# Altium PCB PCB.PcbDoc (part 2 of 3) (continued)
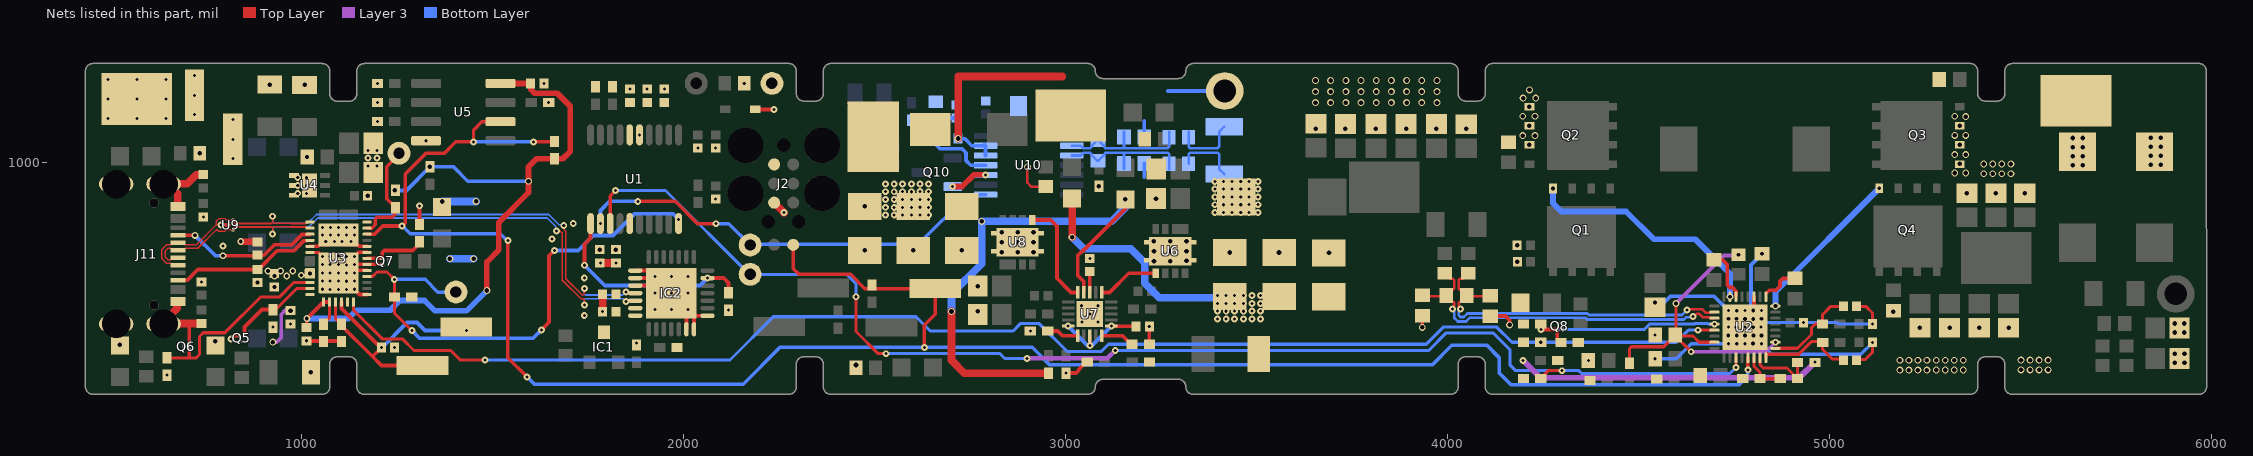
[diagram p6: the nets of this part, all layers, seen from the top]
## Part data (continued)
R62: library part RC0402FR-0715K4L, "RES 15.4K OHM 1% 1/16W 0402", Device Package="0402 (1005 Metric)", manufacturer=Yageo, Operating Temperature="-55°C ~ 155°C", Power (Watts)="0.063W, 1/16W", Supplier Device Package=0402, Supplier Part Number 1=YAG2992CT-ND, Temperature Coefficient=±100ppm/°C, Tolerance=±1%, componentlink1description=Datasheet, componentlink1url=https://www.yageo.com/upload/media/product/productsearch/datasheet/rchip/PYu-RC_Group_51_RoHS_L_10.pdf, componentlink2description="DigiKey Link", componentlink2url=https://www.digikey.com/en/products/detail/yageo/RC0402FR-0715K4L/5280852, Composition="Thick Film", Features="Moisture Resistant", Height - Seated (Max)="0.016\" (0.40mm)", lastupdated="27/04/2023 7:26:05 PM", Lifecycle Status=Active, Minimum Order=1, Number of Terminations=2, Package / Case="0402 (1005 Metric)", packaging=CutTape, partid=2575, Part Number=RC0402FR-0715K4L, Part Status=Active, price=0.01, Resistance="15.4 kOhms", series=RC_L, Size / Dimension="0.039\" L x 0.020\" W (1.00mm x 0.50mm)", Supplier 1=DigiKey
R73 R74: library part CRCW060360K4FKEA, "RES SMD 60.4K OHM 1% 1/10W 0603", Device Package="0603 (1608 Metric)", manufacturer="Vishay Dale", Operating Temperature="-55°C ~ 155°C", Power (Watts)="0.1W, 1/10W", Ratings=AEC-Q200, Supplier Device Package=0603, Supplier Part Number 1=541-60.4KHCT-ND, Temperature Coefficient=±100ppm/°C, Tolerance=±1%, componentlink1description=Datasheet, componentlink1url=http://www.vishay.com/docs/20035/dcrcwe3.pdf, componentlink2description="DigiKey Link", componentlink2url=https://www.digikey.com/en/products/detail/vishay-dale/CRCW060360K4FKEA/1174871, Composition="Thick Film", Features="Automotive AEC-Q200", Height - Seated (Max)="0.020\" (0.50mm)", lastupdated="7/05/2023 7:36:13 PM", Lifecycle Status=Active, Minimum Order=1, Number of Terminations=2, Package / Case="0603 (1608 Metric)", packaging=CutTape, partid=5182, Part Number=CRCW060360K4FKEA, Part Status=Active, price=0.01, Resistance="60.4 kOhms", series=CRCW, Size / Dimension="0.061\" L x 0.033\" W (1.55mm x 0.85mm)", Supplier 1=DigiKey
R75: library part RP73PF1E100KBTD, "RES 100K OHM 0.1% 1/10W 0402", Device Package="0402 (1005 Metric)", manufacturer="TE Connectivity Passive Product", Operating Temperature="-55°C ~ 155°C", Power (Watts)="0.1W, 1/10W", Supplier Device Package=0402, Supplier Part Number 1=A127511CT-ND, Temperature Coefficient=±25ppm/°C, Tolerance=±0.1%, componentlink1description=Datasheet, componentlink1url=https://www.te.com/commerce/DocumentDelivery/DDEController?Action=srchrtrv&DocNm=1773272&DocType=DS&DocLang=English, componentlink2description="DigiKey Link", componentlink2url=https://www.digikey.com/en/products/detail/te-connectivity-passive-product/RP73PF1E100KBTD/8261053, Composition="Thin Film", Height - Seated (Max)="0.014\" (0.35mm)", lastupdated="12/07/2023 7:24:29 PM", Lifecycle Status=Active, Minimum Order=1, Number of Terminations=2, Package / Case="0402 (1005 Metric)", packaging=TapeAndReel, partid=2436, Part Number=RP73PF1E100KBTD, Part Status=Active, price=0.08, Resistance="100 kOhms", series="RP73, Holsworthy", Size / Dimension="0.039\" L x 0.020\" W (1.00mm x 0.50mm)", Supplier 1=DigiKey
R76: library part RP73PF1E165KBTD, "RES 165K OHM 0.1% 1/10W 0402", Device Package="0402 (1005 Metric)", manufacturer="TE Connectivity Passive Product", Operating Temperature="-55°C ~ 155°C", Power (Watts)="0.1W, 1/10W", Supplier Device Package=0402, Supplier Part Number 1=A127532CT-ND, Temperature Coefficient=±25ppm/°C, Tolerance=±0.1%, componentlink1description=Datasheet, componentlink1url=https://www.te.com/commerce/DocumentDelivery/DDEController?Action=srchrtrv&DocNm=1773272&DocType=DS&DocLang=English, componentlink2description="DigiKey Link", componentlink2url=https://www.digikey.com/en/products/detail/te-connectivity-passive-product/RP73PF1E165KBTD/8261074, Composition="Thin Film", Height - Seated (Max)="0.014\" (0.35mm)", lastupdated="12/07/2023 7:24:29 PM", Lifecycle Status=Active, Minimum Order=1, Number of Terminations=2, Package / Case="0402 (1005 Metric)", packaging=TapeAndReel, partid=2420, Part Number=RP73PF1E165KBTD, Part Status=Active, price=0.08, Resistance="165 kOhms", series="RP73, Holsworthy", Size / Dimension="0.039\" L x 0.020\" W (1.00mm x 0.50mm)", Supplier 1=DigiKey
R77: library part ERJ-2RKF3743X, "RES SMD 374K OHM 1% 1/10W 0402", Device Package="0402 (1005 Metric)", manufacturer="Panasonic Electronic Components", Operating Temperature="-55°C ~ 155°C", Power (Watts)="0.1W, 1/10W", Ratings=AEC-Q200, Supplier Device Package=0402, Supplier Part Number 1=P374KLCT-ND, Temperature Coefficient=±100ppm/°C, Tolerance=±1%, componentlink1description=Datasheet, componentlink1url=https://industrial.panasonic.com/cdbs/www-data/pdf/RDA0000/AOA0000C304.pdf, componentlink2description="DigiKey Link", componentlink2url=https://www.digikey.com/en/products/detail/panasonic-electronic-components/ERJ-2RKF3743X/192327, Composition="Thick Film", Features="Automotive AEC-Q200", Height - Seated (Max)="0.016\" (0.40mm)", lastupdated="12/07/2023 7:24:13 PM", Lifecycle Status=Active, Minimum Order=1, Number of Terminations=2, Package / Case="0402 (1005 Metric)", packaging=CutTape, partid=6416, Part Number=ERJ-2RKF3743X, Part Status=Active, price=0.01, Resistance="374 kOhms", series=ERJ-2RK, Size / Dimension="0.039\" L x 0.020\" W (1.00mm x 0.50mm)", Supplier 1=DigiKey
R78: library part 1-2176089-8, "RES SMD 16.5K OHM 0.1% 1/6W 0603", Device Package="0603 (1608 Metric)", manufacturer="TE Connectivity Passive Product", Operating Temperature="-55°C ~ 155°C", Power (Watts)="0.167W, 1/6W", Supplier Device Package=0603, Supplier Part Number 1=A110225CT-ND, Temperature Coefficient=±25ppm/°C, Tolerance=±0.1%, componentlink1description=Datasheet, componentlink1url=https://www.te.com/commerce/DocumentDelivery/DDEController?Action=srchrtrv&DocNm=1773272&DocType=DS&DocLang=English, componentlink2description="DigiKey Link", componentlink2url=https://www.digikey.com/en/products/detail/te-connectivity-passive-product/1-2176089-8/4033693, Composition="Thin Film", Height - Seated (Max)="0.022\" (0.55mm)", lastupdated="11/07/2023 7:34:02 PM", Lifecycle Status=Active, Minimum Order=1, Number of Terminations=2, Package / Case="0603 (1608 Metric)", packaging=TapeAndReel, partid=11782, Part Number=1-2176089-8, Part Status=Active, price=0.14, Resistance="16.5 kOhms", series="RP73P, Holsworthy", Size / Dimension="0.061\" L x 0.031\" W (1.55mm x 0.80mm)", Supplier 1=DigiKey
R79: library part JR0805X35E, "0805 35 AMP JUMPER", Device Package="0805 (2012 Metric)", manufacturer=Ohmite, Operating Temperature="-55°C ~ 150°C", Power (Watts)=0.245W, Supplier Device Package=0805, Supplier Part Number 1=JR0805X35ECT-ND, Tolerance=Jumper, componentlink1description=Datasheet, componentlink1url=https://www.ohmite.com/assets/docs/res_jr.pdf?r=false, componentlink2description="DigiKey Link", componentlink2url=https://www.digikey.com/en/products/detail/ohmite/JR0805X35E/10233372, Composition="Metal Element", Height - Seated (Max)="0.022\" (0.55mm)", lastupdated="12/07/2023 7:52:18 PM", Lifecycle Status=Active, Minimum Order=1, Number of Terminations=2, Package / Case="0805 (2012 Metric)", packaging=TapeAndReel, partid=29311, Part Number=JR0805X35E, Part Status=Active, price=0.10, Resistance="0 Ohms", series=JR, Size / Dimension="0.079\" L x 0.049\" W (2.00mm x 1.25mm)", Supplier 1=DigiKey
R81: library part MCS0402PD1000DE500, "RES 100 OHM 0.5% 1/5W 0402", Device Package="0402 (1005 Metric)", manufacturer="Vishay Beyschlag", Operating Temperature="-55°C ~ 175°C", Power (Watts)="0.2W, 1/5W", Ratings=AEC-Q200, Supplier Device Package=0402, Supplier Part Number 1=749-1509-1-ND, Temperature Coefficient=±25ppm/°C, Tolerance=±0.5%, componentlink1description=Datasheet, componentlink1url=http://www.vishay.com/docs/28916/mcxhp.pdf, componentlink2description="DigiKey Link", componentlink2url=http://digikey.com/product-detail/en/vishay-beyschlag/MCS0402PD1000DE500/749-1509-1-ND/7245027, Composition="Thin Film", Features="Anti-Sulfur, Automotive AEC-Q200", Height - Seated (Max)="0.015\" (0.37mm)", lastupdated="17/07/2023 7:08:51 PM", Lifecycle Status=Active, Minimum Order=1, Number of Terminations=2, Package / Case="0402 (1005 Metric)", packaging=TapeAndReel, partid=2456, Part Number=MCS0402PD1000DE500, Part Status=Active, price=0.08, Resistance="100 Ohms", series="MCS HP", Size / Dimension="0.039\" L x 0.020\" W (1.00mm x 0.50mm)", Supplier 1=DigiKey
U1: "Value-line Arm-based 32-bit MCU with up to 256 KB Flash, timers, ADC, communication interfaces, 2.4-3.6 V operation - TSSOP20 20-pin"
U2: "I2C 1- to 5-Cell Buck-Boost Battery Charge Controller with USB-C PD 3.0 OTG Output"
U3: "USB, Type-C Controller PMIC 38-WQFN (4x6)", Package=None, Availability=Unavailable, MF="{'manufacturer': u'Texas Instruments'}", MP=TPS25750DRJKR, price=None
U5: "EEPROM Memory IC 256Kb (32K x 8) I²C 1MHz 500ns 8-SOIC", Package=None, Availability=Unavailable, MF="{'manufacturer': u'ON Semiconductor'}", MP=CAT24C256WI-G, price=None
U6 U8: "Synchronous Buck NexFET™ Power Block"
U9: "2-channel ESD protection diode for USB Type-C and HDMI 2.0 3-X2SON -40 to 125", Package=None, Availability=Unavailable, MF="{'manufacturer': u'Texas Instruments'}", MP=ESD122DMXR, price=None

## Free pads (board coordinates)
  round 98.43 hole 59.06: 5(3417,1188) 5(5906,657)
  round 31.5 smd: 6(2237.78,785.8) 6(2287.8,785.22)
  round 60 hole 30: 7(1405,662) 7(2175,708.24) 7(2175,785) 8(1256,1025.13)

## Via types
v1: diameter 18, hole 12, Top Layer to Bottom Layer, tented both sides, 430 vias
v2: diameter 18, hole 8, Top Layer to Bottom Layer, tented both sides, 381 vias
v3: diameter 18, hole 10, Top Layer to Bottom Layer, tented both sides, 49 vias
v4: diameter 23.62, hole 23.62, Top Layer to Bottom Layer, tented both sides, 4 vias
v5: diameter 77.95, hole 77.95, Top Layer to Bottom Layer, 2 vias

## Nets (pads, with @x,y where several pads share a name; then routed paths per layer and width w, separated by ;. In a path a pad name is that pad's centre, name@x,y a point inside that pad or via, vN(x,y) a via of type N, cw(c..) or ccw(c..) an arc to the next point about the centre after c; other vN are vias at no path point)
+3V3: C2.2 C3.2 C4.2 C5.2 C6.2 C7.2 C8.2 C65.1 C72.1 C73.1 C74.1 C82.2 D4.1 D5.1 D6.1 D7.1 D8.1 IC1.3 IC2.6 IC2.7 J2.1 L2.2 R3.2 R4.2 R5.2 R10.1 R17.1 R20.2 R21.2 R22.2 R40.2 R41.2 R42.2 R59.2 TP8.TP U1.5 U1.16 U3.38 U10.5 U10.6 | length 2189.7
  Top Layer w20: v1(2719.32,1063.72) 2719.32,1226 2992.26,1226 ; v1(3017.72,805.22) D8.1@3017.72,906.5
  Layer 3 w10: v1(926.06,531) 935.88,531 948,543.12 948,603.31 958.01,613.32 v1(972,613.32)
  Layer 3 w15: v2(4198.11,483) 4243.61,437.5 4920.77,437.5 v2(4961.61,478.35)
  Bottom Layer w10: v1(2719.32,1063.72) 2719.32,1062.94 2737.06,1062.94 2755.15,1044.85 U10.6@2791.18,1044.85 ; U10.6@2788.11,1047.93 U10.6@2791.18,1044.85 ; U10.5@2791.18,1019.26 U10.6@2791.18,1044.85
  Bottom Layer w20: v1(1369,898.87) 1369,899 v1(1457.71,899) ; v1(1389,749) v1(1451.44,749) ; v1(3017.72,805.22) 3047.56,775.38 3170.53,775.38 3207.5,738.4 3207.5,685.03 3245.85,646.68 v2@3398.07,646.68
  other v1: 1025.2,451.77 525.55,524.16 775,533.35 1781.75,772.85 1823.77,772.85 1008.94,1204.12 917.58,1204.67
  other v2: 3398,591.32 3420.93,591.19 3443,591.32 3465.93,591.19 3488,591.45 3510.93,591.32 3398,611.71 3420.93,611.58 3443,611.71 3465.93,611.58 3488,611.84 3510.93,611.71 3398,632.1 3420.93,631.97 3443,632.1 3465.93,631.97 3488,632.22 3510.93,632.1 3398,652.48 3420.93,652.36 3443,652.48 3465.93,652.36 3510.93,652.48 3488,652.61
+3V3_REG: C68.2 U7.3 U7.6 U7.20 | length 246.1
  Top Layer w10: v2(3064,521.83) U7.3@3063.98,547.64 ; v2(3120.67,572.83) 3121.17,572.33 3184.44,572.33 C68.2@3184.94,571.83
  Bottom Layer w10: v2(3007.28,572.83) 3058.29,521.83 v2(3064,521.83) 3069.67,521.83 v2(3120.67,572.83)
+5V0: C30.1 C78.1 C79.1 C80.1 D9.1 L3.2 R62.2 TP9.TP U3.34_35 U7.14 | length 1379
  Top Layer w10: U7.14@3048.23,661.02 3048.23,689.43 3032.48,705.18 3032.48,757.12 3047.24,771.87 3048.74,771.87 3156.96,880.09 v1(3156.96,904.47)
  Top Layer w20: v1(2702,611) 2702,483.35 2735.61,449.73 R62.2@2956.09,449.73
  Bottom Layer w20: v1(2702,611) 2702,657.31 2781,736.31 v1(2781,847) 3120.8,847 3156.96,883.15 v1(3156.96,904.47)
  other v1: 2475.39,885.99
  other v2: 2529.07,863.33 2552,863.2 2574.07,863.33 2597,863.2 2619.07,863.46 2642,863.33 2529.07,883.72 2552,883.59 2574.07,883.72 2597,883.59 2619.07,883.84 2642,883.72 2529.07,904.1 2552,903.98 2574.07,904.1 2597,903.98 2619.07,904.23 2642,904.1 2529.07,924.49 2552,924.36 2574.07,924.49 2597,924.36 2642,924.49 2619.07,924.62 2529.07,944.88 2552,944.75 2574.07,944.88 2597,944.75 2619.07,945.01 2642,944.88
  other v3: 929.86,704 962.24,704 1000.08,705.74 1022.83,710.8 913.29,717 945.67,717 978.05,717
+5V0_REG: C67.2 U7.13 | length 54.4
  Top Layer w10: U7.13@3063.98,661.02 C67.2@3063.98,715.42
AC_N: C37.1 C40.2 R33.1 U2.2 | length 887.2
  Top Layer w6.68: v2(4034,618) 4034,620.62 4030.02,624.6 4030.02,633.68 4033.37,637.04 C37.1@4039.84,637.04 ; C37.1@4039.84,652.31 C37.1@4050.2,652.31 ; C37.1@4050.2,653.28 4035.82,667.65 4033.37,667.65 4029.46,671.56 4029.46,686.66 4029.46,693.03 4033.37,696.94 4040.74,696.94 R33.1@4054.13,710.33 ; C37.1@4054.13,651.31 C40.2@4114.02,651.31 ; v2(4627,615) 4630.06,615 4632.36,617.29 4666.12,617.29 4676.19,607.22 4686.62,607.22 4688.92,609.52 U2.2@4698.82,609.52
  Bottom Layer w6.68: v2(4034,618) 4029.84,613.84 4029.84,600.66 4033.98,596.52 4042.67,596.52 4051.92,605.77 4366.05,605.77 4370.05,601.77 4613.77,601.77 v2(4627,615)
AC_P: C37.2 C39.2 R32.1 U2.3 | length 898.1
  Top Layer w6.68: C39.2@3934.06,651.46 C37.2@3996.9,651.46 ; R32.1@3993.11,710.33 4006.5,696.94 4013.87,696.94 4017.78,693.03 4017.78,681.82 4017.78,671.56 4013.87,667.65 4011.42,667.65 C37.2@3997.05,653.28 ; C37.2@3997.05,650.34 C37.2@3997.05,652.31 ; v2(4013,618) 4013,621.06 4017.66,625.72 4017.66,633.38 C37.2@4014,637.04 ; v2@4016.79,618 v2@4017.93,616.86 ; v2(4642.53,598) 4645.59,598 4653.21,605.61 4658.74,605.61 4668.81,595.54 4686.62,595.54 4688.65,593.5 U2.3@4698.82,593.5
  Bottom Layer w6.68: v2(4013,618) 4018.16,612.84 4018.16,593.93 4027.25,584.85 4048.88,584.85 4058.13,594.1 4361.21,594.1 4365.21,590.1 4618.61,590.1 4624.35,595.83 4640.36,595.83 v2(4642.53,598)
ADCIN1: C55.2 C66.2 R43.2 R44.2 R45.2 R46.2 U3.1 U3.2 U5.8 | length 1910.1
  Top Layer w8: R46.2@1058.07,578.94 1073.82,594.68 U3.2@1073.82,636
  Top Layer w10: C55.2@1014,569 1014.79,569 v3(1014.79,592.74) 1058.05,636 U3.2@1072,636
  Top Layer w15: v1(1486,666) 1486,740.91 1516.93,771.84 1516.93,844.13 1595,922.2 v1(1595,952) 1595,990 1615.58,1010.58 R43.2@1663,1010.58 1684.73,1010.58 1704,1029.84 1704,1148.36 1670.36,1182 1610.99,1182 1601.22,1191.78 1601.22,1200.08 1604.22,1203.08 1604.54,1203.08 C66.2@1600.79,1207.68 1600.69,1207.78 1521.75,1207.78 U5.8@1521.65,1207.87
  Bottom Layer w10: v1(1245.28,928) 1275.36,928 v1(1337,989.64) 1398.35,989.64 1435.99,952 v1(1595,952)
  Bottom Layer w15: v3(1014.79,592.74) 1123.1,592.74 1144.71,614.35 1232.97,614.35 1258.4,639.77 1322.82,639.77 1350.01,612.59 1432.59,612.59 v1(1486,666)
ADCIN2: C54.2 J10.1 J10.2 R47.2 U3.3 U3.4 | length 823.6
  Top Layer w8: U3.3@1089.57,636.02 1089.57,593.7 R47.2@1104.33,578.94
  Top Layer w10: R47.2@1105.31,579.64 1105.31,572.1 1107.66,572.1 1186,493.77 ; U3.4@1105.31,636.02 1105.31,618.92 1207.5,516.73 v2(1209.68,516.73) 1209.68,515.94 1187.5,493.77 1186,493.77 ; J10.1@1275,470 J10.1@1317.52,470 1209.77,470 1186,493.77
  Bottom Layer w10: v2@1210.79,515.62 1277.17,582 1303,582 1324,561 v2(1433,561)
ALERT_FUEL: pad.7@2175,785 U1.2 U10.1 | length 1154.4
  Top Layer w10: v2(1881,899.31) 1978.87,899.31 2037.41,840.77 v2(2085.64,840.77)
  Bottom Layer w9.08: v2(2085.64,840.77) 2119.23,840.77 pad.7@2175,785 2176.57,786.57 2615.27,786.57 2745.6,916.9 U10.1@2791.18,916.9
  Bottom Layer w10: v2(1783.06,841) 1783.06,875.37 1807.01,899.31 v2(1881,899.31)
B_G_3V: U6.5 U7.11 | length 161.4
  Top Layer w10: U7.11@3095.47,661.02 3115.75,661.02 3165.71,710.99 U6.5@3236.22,710.99
B_G_5V: U7.15 U8.5 | length 277.3
  Top Layer w10: U8.5@2913.3,850.39 2961.61,850.39 2978,834.01 2978,698 3014.98,661.02 U7.15@3032.48,661.02
BAT: C85.2 R77.1 R78.2 U10.4 | length 346.8
  Bottom Layer w10: R77.1@2597,1108.79 2659.03,1108.79 R78.2@2661,1108.79 ; C85.2@2715,1117.05 2695.66,1117.05 2687.39,1108.79 R78.2@2661,1108.79 ; U10.4@2791.18,993.67 2752.49,993.67 2739.54,1006.61 2739.54,1026.62 2729.17,1037 2671.64,1037 2661,1047.64 R78.2@2661,1108.79
BOOT0: IC2.20 R1.1 U1.1 | length 554.8
  Top Layer w10: v2(1741.14,732) 1741.14,787.14 1757.47,803.47 U1.1@1757.47,841 ; v2(2063.37,698.5) 2105.95,698.5 2118.61,685.83 R1.1@2118.61,659.69
  Bottom Layer w10: v2(1741.14,732) 1794.33,678.81 2043.69,678.81 v2(2063.37,698.5)
BTST1: C35.1 U2.30 | length 134.7
  Top Layer w10: C35.1@4697,746.57 4719.95,746.57 4732.34,734.19 4732.34,680.68 4739.64,673.39 4745.61,673.39 4754.92,664.08 U2.30@4754.92,652.81
BTST2: C36.1 U2.25 | length 98.5
  Top Layer w10: U2.25@4834.32,658.68 4842.28,666.63 4859.63,666.63 4870,677 4870,690.11 4877.47,697.57 C36.1@4909,697.57
CC1: C56.1 J11.A5 U3.28 | length 391.1
  Top Layer w10: J11.A5@677.2,810.66 677.53,810.33 v3(722.5,810.33) ; v3(795,757) 884.56,757 C56.1@885.83,758.27 902.85,758.27 930.4,785.83 976.06,785.83 1002.33,812.1 1021.76,812.1 U3.28@1022.83,813.17
  Bottom Layer w10: v3(722.5,810.33) 775.83,757 v3(795,757)
CC2: C57.1 J11.B5 U3.29 | length 381.8
  Top Layer w10: J11.B5@677.2,692.55 700.74,692.55 729.38,721.19 888.02,721.19 936.83,770 981.44,770 1007.8,796.35 U3.29@1016.02,796.35
CELL_BATTPRESZ: C23.2 R23.2 R28.2 U2.7 U2.18 | length 873.8
  Top Layer w8: R23.2@4476.38,475.39 4476.38,513.78 4481.3,518.7 4566.16,518.7 C23.2@4596.46,549 ; v3(4598,632) 4598,550.54 C23.2@4596.46,549 ; v2(4637.91,505.64) 4637.84,505.64 C23.2@4596.46,547.03 ; U2.7@4698.82,530.51 4659.27,530.51 4642.76,547.03 C23.2@4596.46,547.03 ; C23.2@4596.46,547.03 C23.2@4596.46,549
  Layer 3 w8: v2(4637.91,505.64) 4833.4,505.64 v2(4858.27,530.51)
  Layer 3 w10: v3(4598,632) 4723.89,757.89 4760.34,757.89 v3(4761.87,759.42)
CHRG_OK: Q8.1 R21.1 R67.2 U2.4 | length 558
  Top Layer w10: R21.1@4244.09,577.76 4244.59,577.26 4244.59,564.47 v2(4245.08,563.98) Q8.1@4287.4,563.98 4287.4,538.17 4295.87,529.7 R67.2@4298.24,529.7
  Bottom Layer w8: v2(4245.08,563.98) 4515.22,563.98 4529,577.76 4646.3,577.76 4648.54,580 4680.26,580 4682.51,577.76 v2(4698.82,577.76)
CMPIN: R15.2 R16.1 U2.14 | length 114.8
  Top Layer w8: U2.14@4802.17,490.16 4802.17,467.52 4817.91,451.77 R15.2@4817.91,435.04 R16.1@4871.06,435.04
CMPOUT: R16.2 R17.2 U2.15 | length 175.5
  Top Layer w8: U2.15@4817.91,490.16 4817.91,471.46 4826.46,462.91 4888.46,462.91 R16.2@4916.34,435.04 R17.2@4916.34,478.35
COMP1: C9.2 R18.2 U2.16 | length 256.8
  Top Layer w8: U2.16@4833.66,490.16 4833.66,499.02 4919.29,499.02 4952.29,532.02 4981.89,532.02 4981.89,511.76 5007.11,486.54 5036.42,486.54 C9.2@5036.42,485.76
COMP2: C12.2 R19.2 U2.17 | length 248.2
  Top Layer w8: U2.17@4858.27,514.76 4916.34,514.76 4952.5,550.93 4952.5,568.5 4962.28,578.28 R19.2@4981.69,578.28 4981.69,602.73 5003.5,624.54 C12.2@5036.42,624.54
CS1: R57.2 U7.1 | length 84.1
  Top Layer w10: R57.2@2953.64,560.31 2979.8,560.31 2992.46,547.64 U7.1@3032.48,547.64
CS2: R56.2 U7.5 | length 88.4
  Top Layer w10: U7.5@3095.47,547.64 3149.31,547.64 3171.67,525.27 R56.2@3174.63,525.27
DCONN_N: IC2.5 J11.A7 J11.B7 U3.27 U9.2 | length 1667.2
  Top Layer w4.16: J11.A7@677.2,751.61 663.42,751.61 658.15,746.34 651.27,746.34 644.68,752.93 644.68,769.96 651.27,776.55 658.15,776.55 663.42,771.29 J11.B7@677.2,771.29 690.98,771.29 696.24,776.55 729.59,776.55 777.22,824.19 780.67,824.19 783.75,821.11 800.3,821.11 804.3,825.11 815.1,825.11 815.21,825.22 820.49,825.22 U9.2@821.91,823.8 822.7,824.59 822.7,830.17 824.55,832.03 923.26,832.03 925.2,830.09 ; v2(925.2,813.96) 925.2,830.09 ; U3.27@1022.83,828.91 1014.95,828.91 1011.66,832.21 969.59,832.21 969.27,832.53 927.63,832.53 925.2,830.09 ; v2(1668,822) 1669.57,820.43 1679.66,820.43 1683.24,816.85 1683.24,692.94 1731.47,644.71 1738.71,644.71 1741.14,642.28 v2(1741.14,627.64) ; v2@1851,637 1852.22,638.22 1873.17,638.22 IC2.5@1874.39,639.44
  Bottom Layer w4.16: v2(925.2,813.96) 925.2,830.09 927.63,832.53 1020.48,832.53 1043.68,855.73 1644.36,855.73 1666.43,833.66 1666.43,823.57 v2(1668,822) v2@1668.52,822.52 ; v2(1741.14,627.64) 1741.14,642.28 1743.58,644.71 1841.85,644.71 1849.56,637 v2(1850,637) v2@1851,637
DCONN_P: IC2.4 J11.A6 J11.B6 U3.26 U9.3 | length 1709.2
  Top Layer w4.16: J11.B6@677.2,731.92 663.42,731.92 658.15,737.18 647.48,737.18 635.52,749.14 635.52,773.76 647.48,785.71 658.15,785.71 663.42,790.98 J11.A6@677.2,790.98 690.98,790.98 696.24,785.71 725.8,785.71 777.33,837.25 777.33,846.85 783.75,853.27 801.48,853.27 804.17,850.57 U9.3@821.91,850.57 822.7,849.78 822.7,844.2 825.71,841.19 921.77,841.19 924.95,844.37 ; v2(925.2,860.25) 925.2,844.12 927.63,841.69 973.07,841.69 973.39,841.37 1011.66,841.37 1014.95,844.66 U3.26@1022.83,844.66 ; v2(1687.13,836) 1688.7,834.43 1688.7,824.34 1692.4,820.65 1692.4,696.73 1735.26,653.87 1738.71,653.87 1741.14,656.31 v2(1741.14,670.94) ; v2@1851,662 1852.44,660.56 1872.96,660.56 IC2.4@1874.39,659.13
  Bottom Layer w4.16: v2(925.2,860.25) 925.2,844.12 927.63,841.69 1016.69,841.69 1039.89,864.89 1648.15,864.89 1675.47,837.57 1685.56,837.57 v2(1687.13,836) ; v2(1741.14,670.94) 1741.14,656.31 1743.37,654.08 1841.64,654.08 1849.56,662 v2(1850,662) v2@1851,662
DRAIN: U3.15 U3.30 U3.40 | length 169.4
  Top Layer w10: U3.30@1022.83,781.67 1044.87,781.67 1049.67,786.47 1072.51,786.47 U3.40@1097.63,811.59 ; U3.40@1097.63,799.61 1100.2,797.05 1110.77,786.47 1146.53,786.47 1151.33,781.67 U3.15@1172.43,781.67
  other v2: 1064.31,794 1087.23,794 1107,794.24 1130.17,794.54 1076.23,811.72 1118.08,811.72 1055.31,831 1076.23,831 1097.15,831 1118.08,831 1139,831
FUEL_BATT_SR_N: C1.1 C2.1 C3.1 C4.1 C5.1 C6.1 C7.1 C8.1 C9.1 C10.1 C11.1 C12.1 C13.2 C14.1 C15.1 C16.2 C18.1 C19.1 C20.1 C21.1 C22.1 C23.1 C24.1 C25.1 C26.1 C27.1 C28.1 C29.1 C30.2 C31.1 C32.2 C33.1 C34.1 C38.1 C39.1 C40.1 C41.1 C42.1 C43.1 C44.1 C45.1 C46.1 C47.1 C48.1 C50.1 C51.1 C52.1 C53.2 C54.1 C55.1 C56.2 C57.2 C58.1 C59.1 C60.2 C61.1 C62.1 C63.1 C64.1 C65.2 C66.1 C67.1 C68.1 C70.1 C71.1 C72.2 C73.2 C74.2 C76.1 C77.1 C78.2 C79.2 C80.2 D14.A IC2.1 IC2.2 IC2.3 IC2.13 IC2.14 IC2.15 IC2.29 J2.5 J3.1 J8.1 J8.2 J11.13 J11.14 J11.A1 J11.A12 Q2.S Q3.S Q5.2 Q6.2 Q7.2 Q8.2 R1.2 R8.1 R9.1 R13.1 R14.2 R15.1 R25.1 R29.1 R30.1 R38.1 R39.1 R46.1 R47.1 R48.1 R52.2 R53.2 R54.2 R55.2 R56.1 R57.1 R61.2 R63.2 R64.1 R65.1 R66.1 R67.1 R73.1 R74.1 TP3.TP TP4.TP U1.15 U2.27 U2.33 U3.7 U3.11 U3.12 U3.14 U3.19 U3.31 U3.39 U4.1 U4.2 U4.3 U4.7 U5.4 U6.9 U7.21 U8.9 U9.1 | length 3634.4
  Top Layer w6: C13.2@4931.69,577.76 v2(4931.69,581.76)
  Top Layer w6.68: v1(2900.59,989) 2900.59,947.93 2910.53,937.99 R38.1@2948.82,937.99
  Top Layer w8: U3.31@1022.83,765.92 1045.08,765.94 U3.39@1097.44,713.58 ; R30.1@4543.31,433.61 R30.1@4547.83,429.09 ; C9.1@5071.06,485.76 5094.02,485.76 5112.2,503.93 v2(5112.2,530.1) ; C12.1@5071.06,624.54 5094.87,624.54 5112.2,607.2 v2(5112.2,578.28)
  Top Layer w10: J11.13@639.8,950.52 657.44,950.52 J11.13@651.39,944.47 ; Q6.2@706.89,527.76 706.89,579.57 707,579.68 ; v2(790.41,837.19) U9.1@810.09,837.19 ; v2(816,539) 825.23,548.23 Q5.2@836.05,548.23 ; v3(842,794) v3@842.54,793.46 ; C56.2@885.28,793.46 C56.2@885.83,792.91 ; v2(1014,534.35) 1015,533.36 1104.32,533.36 R47.1@1105.31,532.36 ; U3.39@1097.63,712.18 1097.63,710.8 1152.75,655.68 U3.7@1172.43,655.68 ; U3.39@1103.94,718.7 U3.11@1172.24,718.7 ; U3.39@1118.58,689.69 1097.44,710.83 1097.44,713.58 1149.8,765.94 U3.14@1172.24,765.94 ; U3.39@1119.68,734.45 Q7.2@1212.11,734.45 ; R66.1@1310,838.58 v2(1310,887.65) ; IC2.3@1874.39,678.81 IC2.29@1949.2,678.81 ; IC2.2@1874.39,698.5 1921.64,698.5 v2(1925.57,702.43) ; IC2.1@1874.39,718.18 1909.83,718.18 v2(1925.57,702.43) ; IC2.13@2008.25,564.64 2008.25,611.88 v2(2012.19,615.82) ; IC2.14@2027.94,564.64 IC2.29@2027.94,600.07 ; IC2.15@2063.37,600.07 IC2.29@2027.94,600.07 ; D14.A@2188.37,1140 v2(2237,1140) ; v2(3001.09,449.72) 3027.9,449.72 3034.97,456.79 3034.97,459.05 3054.13,478.22 R61.2@3057.09,478.22 ; v2(3219.59,571.83) 3219.74,571.67 3219.74,525.43 R56.1@3219.9,525.27 ; v1(3934,569.27) 3934,599.13 C39.1@3934.71,599.84 ; C40.1@4112,598.95 4151.92,598.95 4162.6,588.27 v1(4162.6,576) ; v2(4778.54,569.88) v3(4800.23,591.57) 4802.17,593.5 U2.27@4802.17,649.61 ; v2(1925.57,702.43) IC2.29@1949.2,678.81 ; IC2.29@1949.2,678.81 v2(1968.88,659.13) v2(2012.19,615.82) ; v2(2012.19,615.82) IC2.29@2027.94,600.07
  Top Layer w16: v3@842.54,793.46 C56.2@885.28,793.46
  Top Layer w20: J11.13@639.8,584.38 675.2,619.78 J11.A12@675.2,637.04 ; J11.13@651.39,944.47 677.2,918.67 J11.A1@677.2,895.86 ; J11.13@665,944.86 701.42,944.86 725.88,969.32 C64.1@744,969.32 ; J11.13@665.69,579.68 707,579.68 C61.1@739.16,579.68 ; v2(1783.55,738.07) C7.1@1823.64,738.07 ; v2(1789.13,610.76) C3.1@1789.13,655.76 ; J2.5@2237.8,895.76 v2(2263.69,869.87)
  Bottom Layer w6.68: R14.2@3322.59,997.93 3322.59,1022.83 3326.78,1027.02 3398.28,1027.02 3402.19,1023.1 3402.19,984.48 R13.1@3415.82,970.85
  Bottom Layer w8: v2(4543.31,487.32) 4598.37,487.32 4637.62,526.57 U2.33@4735.24,526.57 ; U2.33@4820.87,569.88 4832.74,581.76 v2(4931.69,581.76) 5020.02,581.76 5024.02,577.76 v2@5113.19,577.76 ; U2.33@4821.85,526.57 4849.37,499.06 5081.96,499.06 v2@5112.2,529.3
  Bottom Layer w10: v3(4543.31,634.31) 4566.62,634.31 4583.3,651 4697.43,651 U2.33@4735.24,613.19 ; U2.33@4778.54,613.19 4794,628.65 4794,732.83 v3(4823.44,762.27)
  other v1: 5184,457.68 5207.62,457.68 5231.24,457.68 5254.87,457.68 5279.13,457.8 5302.76,457.8 5326.38,457.8 5350,457.8 5501.13,458.18 5524.76,458.18 5548.38,458.18 5572,458.18 2452.09,471 5903.35,476.38 5928.94,476.38 5184,483.27 5207.62,483.27 5231.24,483.27 5254.87,483.27 5279.13,483.39 5302.76,483.39 5326.38,483.39 5350,483.39 5501.13,483.78 5524.76,483.78 5548.38,483.78 5572,483.78 5903.35,500 5928.94,500 5903,556.02 5928.59,556.02 5236.28,568.34 5314.04,568.34 5391.79,568.82 5468.56,568.82 5903,579.64 5928.59,579.64 5166.8,610.08 2770.75,611.35 2770.75,677.17 4182.68,741.39 3232,743 3274.61,743 3317,744.09 3689.88,764.48 3430,765.39 3559.21,765.39 2833.74,766.13 2874.91,766.13 2916.65,765.92 3232,769.06 3274.61,769.06 3317,769.06 2475.39,771.03 2602.36,771.03 2729.33,771.03 4182.45,784.26 2874.91,792.32 2833.74,792.68 2916.65,792.68 3231.5,795 3274.61,795 3317,795 2833.74,818.31 2874.91,818.13 2916.65,818.13 3237.2,906.5 1173.82,913.58 5359.25,920.28 5510.83,920.28 5435.04,920.62 3087.6,938.98 5403.54,971.46 5427.17,971.46 5450.79,971.46 5474.41,971.46 5327.76,973.35 5356.27,973.35 5637,994.13 5662.59,994.13 5840.8,994.76 5866.39,994.76 5340.55,997.19 5403.54,997.05 5427.17,997.05 5450.79,997.05 5474.41,997.05 5637,1017.76 5662.59,1017.76 5840.8,1018.38 5866.39,1018.38 5327.76,1021.65 5356.27,1021.65 734.59,1025.13 5637,1041.38 5662.59,1041.38 5840.8,1042 5866.39,1042 4214.57,1046.85 5340.55,1047.19 5637,1065 5662.59,1065 5840.8,1065.62 5866.39,1065.62 4197,1071.22 4229,1071.22 5327.76,1071.85 5356.27,1071.85 3655,1089 3733,1089 3812,1089 3892,1089 3971,1089 4049,1089 4214.57,1096.85 5340.55,1097.19 5356.27,1121.06 4197,1122 4229,1122 5327.76,1122.05 4214.57,1146.85 3654.54,1157.48 3694.29,1157.48 3734.04,1157.48 3773.79,1157.48 3813.54,1157.48 3853.29,1157.48 3893.04,1157.48 3932.79,1157.48 3972.54,1157.48 4198,1169.61 4231,1169.61 3654.54,1186.48 3694.29,1186.48 3734.04,1186.48 3773.79,1186.48 3813.54,1186.48 3853.29,1186.48 3893.04,1186.48 3932.79,1186.48 3972.54,1186.48 4214.76,1190.94 3654.54,1215.53 3694.29,1215.53 3734.04,1215.53 3773.79,1215.53 3813.54,1215.53 3853.29,1215.53 3893.04,1215.53 3932.79,1215.53 3972.54,1215.53
  other v2: 648.5,444.94 4368.88,483.27 1244.32,516.73 1877.08,528.16 4543.31,549 2908.36,560.31 926,570.1 972,578.68 3043,584 3085.57,584 1741,600.46 3063.98,604.33 2118.61,614.41 1925.57,615.82 1968.88,615.82 3042.68,626 3085.57,626 1925.57,659.13 2012.19,659.13 1055.31,669.18 1076,669 1119,668.61 1139.95,669.18 739,688.76 1076,690.5 1119,690.11 1055.31,690.68 1097.63,690.68 1139.95,690.68 1741,699 1968.88,702.43 2012.19,702.43 1076,712 1119,711.61 1119,733.11 1055.31,733.68 1076,733.5 1097.63,733.68 1139.95,733.68 1823.77,738.2 3063.98,750.06 1055.31,755.18 1076,755 1119,754.61 1139.95,755.18 795,782.07 1656,801 1712,841.69 744,858.68 3391.07,870.08 3414,869.95 3436.07,870.08 3459,869.95 3481.07,870.21 3504,870.08 3391.07,890.47 3414,890.34 3436.07,890.47 3459,890.34 3504,890.47 3481.07,890.59 2084.78,905.16 3391.07,910.85 3414,910.73 3436.07,910.85 3459,910.73 3481.07,910.98 3504,910.85 991.07,920.35 1014,920.22 3391.07,931.24 3414,931.11 3436.07,931.24 3459,931.11 3481.07,931.37 3504,931.24 991.07,940.74 1014,940.61 3391.07,951.63 3414,951.5 3436.07,951.63 3459,951.5 3481.07,951.76 3504,951.63 991.07,961.13 1014,961 1175.07,992.13 1198,992 821,1011.23 1198,1012.39 1175.07,1012.52 1175.07,1032.9 1198,1032.78 2038,1038.68 2084.79,1038.78 1326.77,1057.87 821,1061.61 1885.43,1073.28 1199.8,1108.27 821,1113.23 493.88,1116.61 570,1116.61 645.88,1116.61 721,1126.19 1199.8,1157.48 1647.64,1157.48 493.88,1167 570,1167 645.88,1167 721,1176.57 1860.58,1192.81 1905.58,1192.81 1950.58,1192.81 1199.8,1207.87 1635.43,1207.68 2159.59,1208.16 493.88,1218.61 570,1218.61 645.88,1218.61 721,1228.19
  other v3: 4757,526.57 4800,527 4735,548.17 4756.9,547.79 4778.54,548.2 4800.68,548 4822,548 4756.86,569.88 4800.23,569.88 4735.13,592 4756.86,592 4778.54,591.57 4822,592 4756.89,613.02 4800.23,613.19 929.86,675.46 885.83,686.54 1015.43,1015.08
  other v4: 614.2,627.59 614.2,895.31
FUEL_BATT_SR_P: C49.1 C82.1 C83.1 C84.1 C85.1 pad.5@3417,1188 Q10.2 R13.2 R50.2 R78.1 R79.1 U10.3 U10.8 | length 504.9
  Top Layer w15: v2(2704.83,938.1) 2729.79,938.1 2760.27,968.59 v2(2790.68,968.59)
  Bottom Layer w6.68: R50.2@3322.59,1081.23 3322.59,1042.33 3326.23,1038.69 3398.28,1038.69 3402.19,1042.61 3402.19,1081.23 R13.2@3415.82,1094.86
  Bottom Layer w10: 3206.57,962.17 C83.1@3206.57,997.93 ; C84.1@3206.57,1067.23 3206.57,1110.34 ; 3268.94,1188 pad.5@3417,1188
FUEL_SR_N: C81.2 C83.2 R14.1 U10.10 | length 360.5
  Bottom Layer w6.68: U10.10@3017.17,1019.26 3040,1019.26 3046.96,1026.22 3064.74,1026.22 3068.65,1022.31 3068.65,1020.03 3083.03,1005.66 C81.2@3085,1005.66 3086.97,1005.66 3101.35,1020.03 3101.35,1022.48 3105.61,1026.74 3153.43,1026.74 ; C83.2@3153.43,983.93 3153.43,1026.74 ; R14.1@3271.41,983.93 3271.41,1022.83 3267.5,1026.74 3153.43,1026.74
FUEL_SR_P: C81.1 C84.2 R50.1 U10.9 | length 360.7
  Bottom Layer w6.68: U10.9@3017.17,1044.85 3040,1044.85 3046.96,1037.9 3064.57,1037.9 3068.65,1041.98 3068.65,1044.43 3083.03,1058.81 C81.1@3085,1058.81 3086.97,1058.81 3101.35,1044.43 3101.35,1041.98 3104.91,1038.42 3154,1038.42 ; C84.2@3153.43,1081.23 3153.43,1039 3154,1038.42 ; R50.1@3271.41,1081.23 3271.41,1042.33 3267.5,1038.42 3154,1038.42
GPIO0_PD: U3.5
GPIO1_PD: R20.1 U2.5 U3.6 | length 3784.9
  Top Layer w8: U3.6@1137,636 1137,614.28 1211.93,539.35 1264.61,539.35 1295.19,508.77 1391.23,508.77 1416,484 v2(1481,484) ; v2(4656,562) U2.5@4696.79,562
  Bottom Layer w8: v2(1481,484) 2122.34,484 2235.61,597.28 2609.03,597.28 2646.31,560 2863.23,560 2882.23,579 2931.99,579 3004.88,506.12 3093.84,506.12 3113,525.27 3944.17,525.27 3989,570.1 4129.29,570.1 4168.88,530.51 v2(4244.09,530.51) 4599.07,530.51 4630.56,562 v2@4649,562
GPIO2_M: pad.7@1405,662 R42.1 U1.10 U3.10 | length 1373
  Top Layer w8: U3.10@1172.43,702.93 1172.5,702.99 1187.21,702.99 1198.34,714.11 1224.63,714.11 v2(1243.74,695) 1243.74,649.81 R42.1@1244.38,649.17 1244.38,606.26 v2(1289.64,561)
  Top Layer w10: v2(1629,563) 1649,583 1649,756.97 v2(1663,770.97)
  Top Layer w12: U1.10@1987.79,841 1988.57,841.78 1987.79,842.56 v2(1987.79,851.84)
  Bottom Layer w9.08: v2(1243.74,695) 1324.22,695 1357.38,661.84 1394.24,661.84 pad.7@1405,662
  Bottom Layer w10: v2(1289.64,561) 1309.64,541 1607,541 v2(1629,563) ; v2(1663,770.97) 1724.97,770.97 1763.46,809.46 1816.46,809.46 1874,867 1972.62,867 v2(1987.79,851.84)
GPIO5_M: pad.7@2175,708.24 R22.1 U1.3 U2.11 | length 3471.1
  Top Layer w8: U1.3@1808.65,841 1808.9,841.24 1808.9,913.79 v2(1822.55,927.44) ; v2(2452,649.61) 2452,558.63 2510.11,500.53 v2(2530.83,500.53) ; R22.1@4244.09,436.02 4264.07,456 v2(4300,456) ; v2(4754.92,464.57) U2.11@4754.92,490.16
  Layer 3 w12: v2(2899.5,488.16) 3109.75,488.16 v2(3130.5,508.91)
  Bottom Layer w8: v2(1822.55,927.44) 1953.69,927.44 2172.89,708.24 2427.19,708.24 2452,683.43 v2(2452,649.61) ; v2(2530.83,500.53) 2829.16,500.53 2842.03,487.65 v2@2900,487.65 ; v2@3131,508.4 3950.4,508.4 3997,555 4119,555 4164,510 4164,470.37 4178.37,456 v2(4300,456) 4343.63,456 4350.63,449 4739.35,449 v2(4754.92,464.57)
GPIO6_PD: Q5.1 R64.2 U3.37 | length 235.3
  Top Layer w8: R64.2@933.72,616.14 989.04,671.46 U3.37@1022.64,671.46
  Top Layer w10: Q5.1@851.38,548.23 851.38,570.38 897.14,616.14 R64.2@933.72,616.14
GPIO7_PD: Q6.1 R65.2 U3.36 | length 502.8
  Top Layer w8: R65.2@649,489.71 725.48,489.71 734,498.24 734,545.33 743.98,555.32 800.2,555.32 893.52,648.63 942.63,648.63 981.2,687.2 U3.36@1022.64,687.2
  Top Layer w10: 707.2,492.36 Q6.1@707.2,512.11
GPIO11_PD: Q7.1 R66.2 U3.13 | length 165.2
  Top Layer w10: U3.13@1172.24,750.2 1212.11,750.2 1212.11,765.17 1217.97,771.03 1292.03,771.03 1305,784 R66.2@1305,793.65
HIDRV1: Q1.G U2.31 | length 638.2
  Bottom Layer w15: v3(4276.18,933.07) 4276.18,894.48 4297.74,872.93 4467.62,872.93 4540.35,800.2 4648.62,800.2 4739.17,709.65 v3(4739.17,649.61)
HIDRV2: Q4.G U2.24 | length 420.9
  Bottom Layer w15: v3(4858.27,625) 4858.27,661.76 v3(5129.92,933.41)
I2CM_IRQ: pad.8 R45.1 U3.18 | length 278.8
  Top Layer w9.08: U3.18@1172.43,828.91 1185,828.91 1193.78,837.7 1193.78,838.01 1194.06,838.29 1194.06,852.79 1198.4,857.13 1238.24,857.13 1245.28,864.16 1245.28,885.68 1224.41,906.54 1224.41,990 1256,1021.59 pad.8@1256,1025.13
I2CM_SCL: J7.1 pad.6@2287.8,785.22 R6.2 R43.1 U2.13 U3.17 U5.6 | length 5476.1
  Top Layer w9.08: v2(1264.11,835) 1264.59,835 1271.86,842.27 1271.86,970.86 1325.61,1024.61 1374,1024.61 1404.39,1055 v2(1451,1055) 1451,1085.85 1473.02,1107.87 U5.6@1521.65,1107.87 ; v2(1541,797) 1541,490 v2(1591,440) ; v2(1607.87,1054.95) 1662.09,1054.95 R43.1@1663,1055.85 ; pad.6@2287.8,785.22 2287.8,723 2302.8,708 2438.36,708 2475.36,671 J7.1@2659.84,671 2659.84,604.13 2631,575.29 v2(2631,517) ; v2(4786.42,458.44) U2.13@4786.42,490.16
  Top Layer w10: U3.17@1172.43,813.17 1191.57,813.17 1213.41,835 v2@1264.59,835
  Bottom Layer w9.08: v2(1264.11,835) 1285.15,813.96 1521.04,813.96 1538,797 v2(1541,797) ; v2(1451,1055) v2@1607.85,1054.97 ; v2(1591,440) 1610.56,420.44 2156.7,420.44 2253.27,517 v2(2631,517) 2913.64,517 2959.64,471 3960.11,471 4011.26,522.16 4103.36,522.16 4135,490.52 4135,451 4166.35,419.65 4763.56,419.65 4786.42,442.51 v2(4786.42,458.44)